# Altium PCB 0416X.PcbDoc (part 2 of 3)
Units mm, origin at the board's own origin, x right, y up, seen from the top; angles counter-clockwise.
Board outline 152.4 x 49.85 mm, 4 copper layers (Top Layer, Signal Layer 2, Signal Layer 1, Bottom Layer), stack 0.778 mm thick; 255 components, 302 nets, 1179 pads, 738 vias.
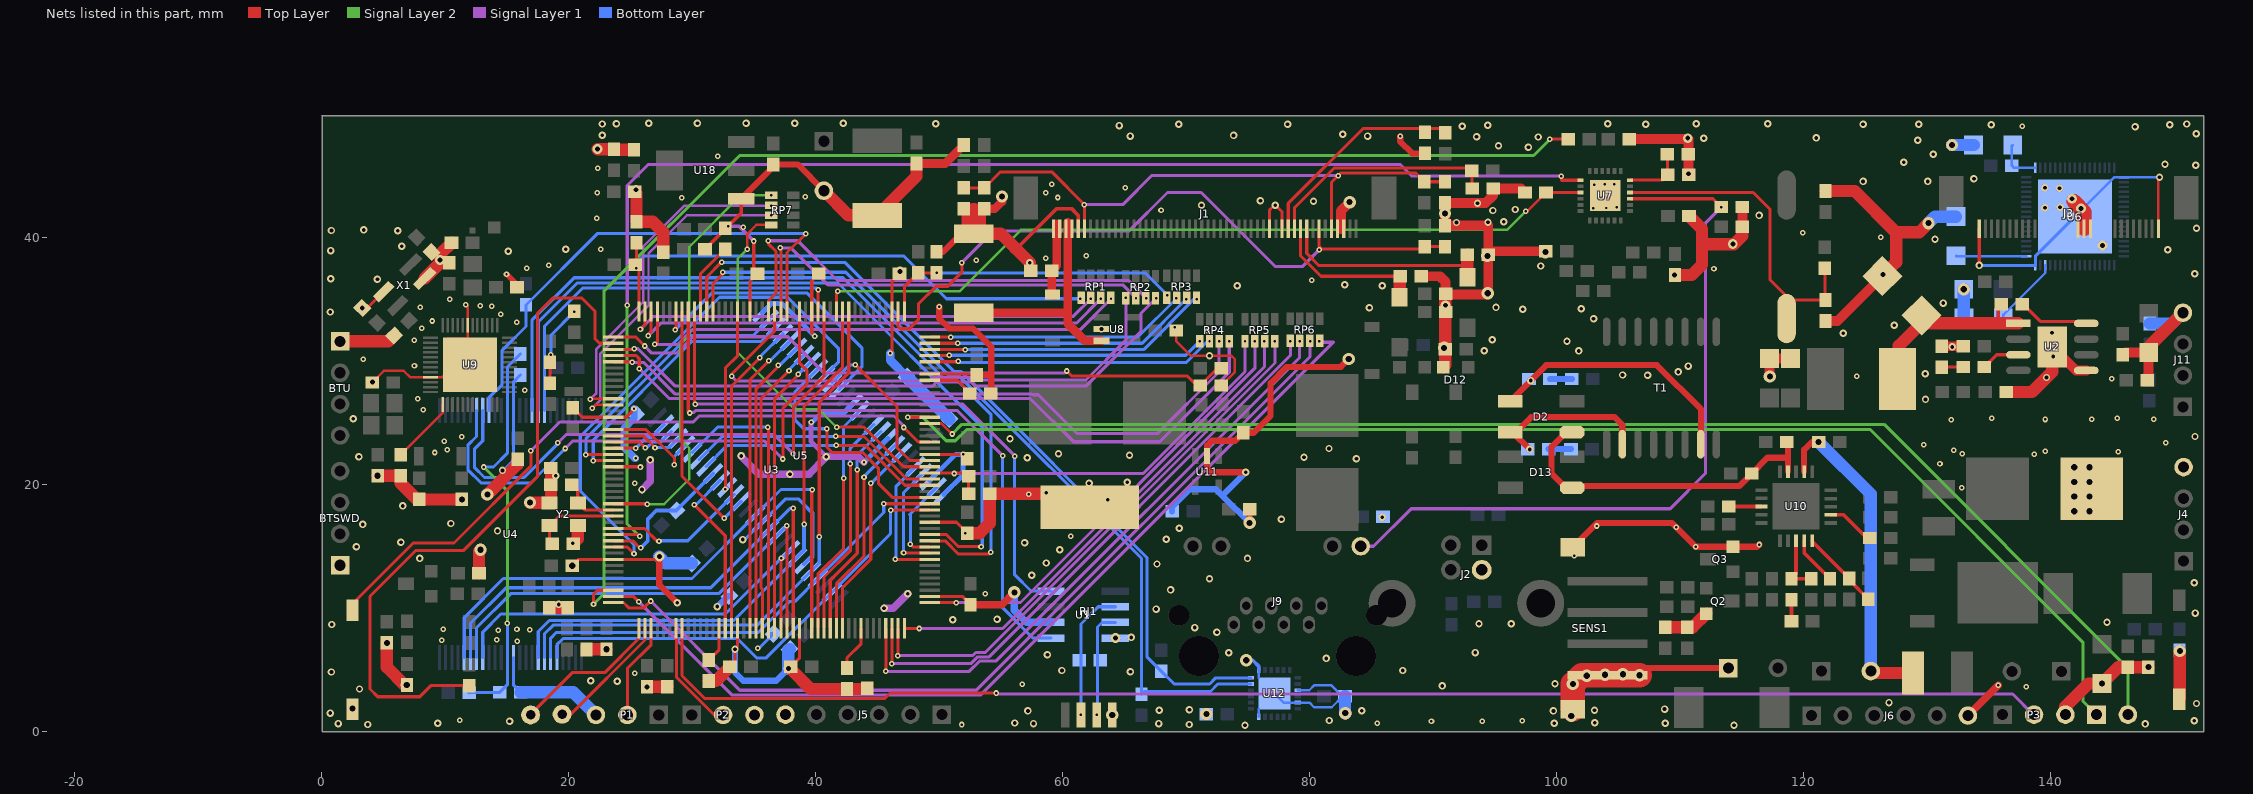
[diagram p4: the nets of this part, all layers, seen from the top]

## Via types
v1: diameter 0.45, hole 0.2, Top Layer to Bottom Layer, 364 vias
v2: diameter 0.6, hole 0.3, Top Layer to Bottom Layer, 236 vias
v3: diameter 1, hole 0.5, Top Layer to Bottom Layer, 61 vias
v4: diameter 0.8, hole 0.4, Top Layer to Bottom Layer, 41 vias
v5: diameter 0.5, hole 0.3, Top Layer to Bottom Layer, 36 vias

## Nets (pads, with @x,y where several pads share a name; then routed paths per layer and width w, separated by ;. In a path a pad name is that pad's centre, name@x,y a point inside that pad or via, vN(x,y) a via of type N, cw(c..) or ccw(c..) an arc to the next point about the centre after c; other vN are vias at no path point) (continued)
+16V: C89.2 D14.1 J1.41 | length 12.6
  Top Layer w0.25: J1.41@79.25,40.725 79.25,38.55 80.9,36.9 C89.2@87.325,36.9
  Top Layer w1: D14.1@87.275,35.207 87.275,36.85 C89.2@87.325,36.9
-7V: C84.1 D10.2 J1.42 | length 17.2
  Top Layer w0.25: J1.42@79.75,40.725 79.75,38.75 80.725,37.775 92.75,37.775
  Top Layer w1: D10.2@92.75,36.807 92.75,37.775 C84.1@92.75,38.625
AD1: P1.2 U3.47 | length 7.8
  Top Layer w0.254: P1.2@24.735,1.375 24.735,5.133 26.666,7.064 U3.47@26.666,8.409
AD2: P2.2 U3.51 | length 9
  Top Layer w0.254: U3.51@28.666,8.409 28.666,7.584 28.704,7.546 28.704,4.446 31.775,1.375 P2.2@32.49,1.375
AD3: P3.2 U3.52 | length 115
  Top Layer w0.254: U3.52@29.165,8.409 29.165,4.56 31.029,2.696 45.546,2.696 46,3.15 v1(54.6,3.15)
  Signal Layer 1 w0.254: v1(54.6,3.15) 54.675,3.075 136.91,3.075 P3.2@138.585,1.4
BL_GND: J1.3 J1.4 R71.2 U8.3 | length 19
  Top Layer w0.7: R71.2@52.775,33.95 60.298,33.95 ; 60.4,41.25 60.398,41.248 60.398,33.052 61.775,31.675 U8.3@63.125,31.675
BL_VCC: C74.2 D9.2 J1.1 J1.2 | length 6
  Top Layer w0.7: D9.2@59.25,35.33 D9.2@59.175,35.405 59.1,35.48 C74.2@59.1,37.35 59.5,37.75 59.5,41.1 59.475,41.125
BOOT0: R52.2 U3.166 | length 6
  Top Layer w0.254: U3.166@30.666,34.04 30.666,37.116 R52.2@32.7,39.15
BOOT1: R53.2 U3.58 | length 2.9
  Top Layer w0.254: R53.2@31.325,5.825 32.165,6.665 U3.58@32.165,8.409
CAN1_H: R73.2 RJ1.3 U1.7 | length 8.8
  Bottom Layer w0.25: v1(62.735,1.375) 62.8,1.44 62.8,8.5 63.165,8.865 U1.7@64.25,8.865
CAN1_L: R73.1 RJ1.2 U1.6 | length 10.7
  Bottom Layer w0.25: v1(61.465,1.375) 61.465,8.74 62.86,10.135 U1.6@64.25,10.135
CAN1_RX: U1.4 U3.167 | length 48.4
  Top Layer w0.25: U3.167@30.165,34.04 30.165,26.485 30.231,26.55 v1(30.25,26.55)
  Signal Layer 1 w0.25: v1(30.25,26.55) 51.9,26.55 56.1,22.35 v1(56.1,22.325)
  Bottom Layer w0.25: v1(56.1,22.325) 56.1,12.73 57.425,11.405 U1.4@59.05,11.405
CAN1_TX: U1.1 U3.168 | length 52.3
  Top Layer w0.25: v1@29.666,25.925 U3.168@29.666,34.04
  Signal Layer 1 w0.25: v1(29.8,25.825) 29.8,25.85 29.825,25.875 30.111,25.875 30.113,25.873 30.265,26.025 51.45,26.025 v1(55.125,22.35)
  Bottom Layer w0.25: v1(55.125,22.35) 55.125,10.05 57.58,7.595 U1.1@59.05,7.595
DEC1: C78.1 U9.1 | length 5.5
  Top Layer w0.2: C78.1@6.4,22.45 9.8,25.85 U9.1@9.8,26.525
ETH_MDC: U3.33 U7.13 | length 109.6
  Top Layer w0.254: U3.33@23.6,15.975 25.6,15.975 v1(25.725,15.85) ; 100.375,44.675 v1(100.375,45.004) ; 100.375,44.675 U7.13@101.925,44.675
  Signal Layer 1 w0.254: v1(24.725,34.55) 24.725,44.25 26.425,45.95 87.329,45.95 88.275,45.004 v1(100.375,45.004)
  Signal Layer 2 w0.254: v1(24.725,34.55) 24.696,34.521 24.696,16.879 v1(25.725,15.85)
ETH_MDIO: R54.2 U3.42 | length 111.5
  Top Layer w0.254: v1(21.996,10.327) 21.996,11.146 22.325,11.475 U3.42@23.6,11.475 ; v1@99.325,48 R54.2@100.925,48
  Signal Layer 2 w0.254: v1(21.996,10.327) 22.838,11.169 22.838,35.688 33.825,46.675 98.125,46.675 v1(99.425,47.975)
  Bottom Layer w0.254: v1@21.994,10.325 v1(21.996,10.327)
ETH_RESET: R66.1 U3.144 U7.15 | length 65.1
  Top Layer w0.25: U3.144@41.665,34.04 41.665,35.565 v1(41.775,35.675) ; v1(97.5,42.175) 97.625,42.175 R66.1@99.125,43.675 U7.15@101.925,43.675
  Signal Layer 2 w0.2: v1(41.775,35.675) 51.625,35.675 56.6,40.65 95.975,40.65 v1(97.5,42.175)
FSMC_A0: U3.16 U5.23 | length 8.3
  Top Layer w0.25: U3.16@23.6,24.475 26.25,24.475 28.55,22.175 v1(28.55,21.65)
  Bottom Layer w0.25: v1(28.55,21.65) 28.55,22.315 U5.23@29.43,23.195
FSMC_A1: U3.17 U5.24 | length 6
  Top Layer w0.25: U3.17@23.6,23.975 26.025,23.975 v1(26.975,23.025)
  Bottom Layer w0.25: v1(26.975,23.025) 28.128,23.025 U5.24@28.864,23.761 U5.24@28.864,23.764
FSMC_A2: U3.18 U5.25 | length 5.4
  Top Layer w0.25: U3.18@23.6,23.475 25.725,23.475 v1(26.197,23.003)
  Bottom Layer w0.25: v1(26.197,23.003) v1@26.314,23.003 ; v1@26.311,23 26.788,23.477 27.449,23.477 U5.25@28.299,24.326
FSMC_A3: U3.19 U5.26 | length 4.9
  Top Layer w0.25: U3.19@23.6,22.975 v1(25.425,22.975)
  Bottom Layer w0.25: v1(25.425,22.975) 26.278,23.828 26.669,23.828 U5.26@27.733,24.892
FSMC_A4: U3.20 U5.29 | length 22.3
  Top Layer w0.254: v1(21.375,22.45) 21.4,22.475 U3.20@23.6,22.475
  Bottom Layer w0.254: v1@21.379,22.454 21.379,23.729 29.75,32.1 34.941,32.1 U5.29@36.218,33.377
FSMC_A5: U3.21 U5.30 | length 22
  Top Layer w0.254: v1@21.875,22 21.9,21.975 U3.21@23.6,21.975
  Bottom Layer w0.254: v1(21.975,21.975) 21.975,23.625 29.975,31.625 35.597,31.625 U5.30@36.784,32.812
FSMC_A6: U3.60 U5.31 | length 25.5
  Top Layer w0.254: U3.60@33.165,8.409 33.165,27.99 v1(35.475,30.3)
  Bottom Layer w0.254: v1@35.475,30.372 U5.31@37.349,32.246
FSMC_A7: U3.63 U5.32 | length 24.7
  Top Layer w0.25: U3.63@34.666,8.409 34.666,28.516 v1(36.2,30.05)
  Bottom Layer w0.254: v1(36.2,30.05) 36.285,30.05 U5.32@37.915,31.68
FSMC_A8: U3.64 U5.33 | length 24.2
  Top Layer w0.25: U3.64@35.165,8.409 35.165,27.79 v1@37,29.625
  Bottom Layer w0.254: v1(36.95,29.675) 36.95,29.584 U5.33@38.481,31.115
FSMC_A9: U3.65 U5.34 | length 23.6
  Top Layer w0.25: U3.65@35.666,8.409 35.666,11.559 35.573,11.652 35.573,26.998 v1(37.825,29.25)
  Bottom Layer w0.254: v1(37.825,29.25) 37.825,29.327 U5.34@39.047,30.549
FSMC_A10: U3.66 U5.22 | length 23.4
  Top Layer w0.25: v1(36.1,24.675) 36.106,24.675 36.165,24.735 U3.66@36.165,8.409
  Bottom Layer w0.25: U5.22@29.996,22.629 32.041,24.675 v1(36.1,24.675)
FSMC_A11: U3.67 U5.35 | length 22.8
  Top Layer w0.254: U3.67@36.666,8.409 36.666,26.991 v1@38.6,28.925
  Bottom Layer w0.254: v1(38.575,28.95) 38.579,28.95 U5.35@39.612,29.983
FSMC_A12: U3.106 U5.36 | length 20
  Top Layer w0.25: v1(40.9,24.55) 40.9,23.05 41.325,22.625 43.8,22.625 45.064,21.361 45.064,20.139 46.228,18.975 U3.106@49.231,18.975
  Bottom Layer w0.25: U5.36@40.178,29.418 38.325,27.565 38.325,25.25 39.025,24.55 v1(40.9,24.55)
FSMC_A16_CLE: U3.99 U4.16 | length 67.1
  Top Layer w0.25: U3.99@49.231,15.475 50.475,15.475 51.55,14.4 54.025,14.4 v1(54.175,14.55)
  Bottom Layer w0.25: U4.16@17.025,26.025 17.025,33.368 20.431,36.773 32.85,36.773 32.853,36.777 42.198,36.777 50.478,28.497 51.403,28.497 54.175,25.725 v1(54.175,14.55)
FSMC_A17_ALE: U3.100 U4.17 | length 63.5
  Top Layer w0.254: U3.100@49.231,15.975 50.575,15.975 51.55,15 v1(53.375,15)
  Bottom Layer w0.25: U4.17@17.525,26.025 17.525,33.2 20.675,36.35 41.8,36.35 53.475,24.675 53.475,15.1 v1(53.375,15)
FSMC_BA0: U3.108 U5.20 | length 20.1
  Top Layer w0.25: v1(41.644,23.2) 44,23.2 47.225,19.975 U3.108@49.231,19.975
  Bottom Layer w0.25: U5.20@31.127,21.498 32.829,23.2 v1(41.644,23.2)
FSMC_BA1: U3.109 U5.21 | length 20.9
  Top Layer w0.25: v1(41.6,23.925) 43.9,23.925 47.35,20.475 U3.109@49.231,20.475
  Bottom Layer w0.25: U5.21@30.561,22.064 32.423,23.925 v1(41.6,23.925)
FSMC_D0: U3.104 U4.29 U5.2 | length 38.1
  Top Layer w0.254: v1(46.05,17.95) 46.075,17.975 U3.104@49.231,17.975
  Bottom Layer w0.25: U4.29@19.025,6.025 19.025,7.05 19.525,7.55 33.65,7.55 35.2,6 35.994,6 U5.2@41.309,11.316
  Bottom Layer w0.254: U5.2@41.309,11.316 46.05,16.056 v1(46.05,17.95)
FSMC_D1: U3.105 U4.30 U5.4 | length 37.2
  Top Layer w0.254: v1(45.5,18.475) U3.105@49.231,18.475
  Bottom Layer w0.254: U4.30@18.525,6.025 18.525,7.6 18.975,8.05 35.35,8.05 37.85,10.55 38.281,10.55 U5.4@40.178,12.447 45.5,17.769 v1(45.5,18.475)
FSMC_D2: U3.142 U4.31 U5.5 | length 47.9
  Top Layer w0.254: v1(40.275,15.8) 40.275,26.7 42.665,29.09 U3.142@42.665,34.04
  Bottom Layer w0.254: U4.31@18.025,6.025 18.025,7.95 18.725,8.65 35.25,8.65 U5.5@39.612,13.013 40.275,13.675 v1(40.275,15.8)
FSMC_D3: U3.143 U4.32 U5.7 | length 47
  Top Layer w0.254: v1(39.046,16.829) 39.046,26.396 42.166,29.516 U3.143@42.166,34.04
  Bottom Layer w0.25: U4.32@17.525,6.025 17.525,8.125 18.425,9.025 33.362,9.025 U5.7@38.481,14.144
  Bottom Layer w0.3: U5.7@38.481,14.144 39.046,14.71 v1(39.046,16.829)
FSMC_D4: U3.68 U4.41 U5.8 | length 35.4
  Top Layer w0.254: U3.68@37.165,8.409 37.165,14.046 v1(37.197,14.077) v1@37.248,14.077
  Bottom Layer w0.254: U4.41@13.025,6.025 13.025,8.075 14.5,9.55 32.669,9.55 v1(37.197,14.077) 37.199,14.075 37.28,14.075 U5.8@37.915,14.71
FSMC_D5: U3.69 U4.42 U5.10 | length 39.3
  Top Layer w0.254: v1(37.65,16.707) 37.666,16.692 U3.69@37.666,8.409
  Bottom Layer w0.25: U4.42@12.525,6.025 12.525,8.425 15.325,11.225 32.168,11.225 U5.10@36.784,15.841
  Bottom Layer w0.254: U5.10@36.784,15.841 v1(37.65,16.707)
FSMC_D6: U3.70 U4.43 U5.11 | length 42.5
  Top Layer w0.254: U3.70@38.175,8.419 v1(38.175,18.125)
  Bottom Layer w0.254: U4.43@12.025,6.025 12.025,8.775 14.925,11.675 31.486,11.675 U5.11@36.218,16.407 37.936,18.125 v1(38.175,18.125)
FSMC_D7: U3.73 U4.44 U5.13 | length 46.9
  Top Layer w0.254: U3.73@39.665,8.409 39.665,19.565 v1@39.69,19.59
  Bottom Layer w0.254: U4.44@11.525,6.025 11.525,9.25 14.7,12.425 29.974,12.425 U5.13@35.087,17.538 37.174,19.625 v1(39.7,19.625)
FSMC_D8: U3.74 U5.42 | length 19.1
  Top Layer w0.254: U3.74@40.166,8.409 40.166,12.766 42.25,14.85 v1(42.25,20.525)
  Bottom Layer w0.254: v1(42.25,20.525) 42.25,24.601 42.2,24.651 U5.42@43.572,26.024
FSMC_D9: U3.75 U5.44 | length 18.2
  Top Layer w0.254: U3.75@40.665,8.409 40.665,12.54 42.8,14.675 v1(42.8,21.7)
  Bottom Layer w0.254: v1(42.8,21.7) 42.775,21.725 42.775,22.964 U5.44@44.703,24.892
FSMC_D10: U3.76 U5.45 | length 17.6
  Top Layer w0.254: U3.76@41.166,8.409 41.166,12.291 43.35,14.475 v1(43.35,21.225)
  Bottom Layer w0.254: v1(43.35,21.225) 43.325,21.25 43.325,22.382 U5.45@45.269,24.326
FSMC_D11: U3.77 U5.47 | length 16.9
  Top Layer w0.254: U3.77@41.665,8.409 41.665,11.99 43.9,14.225 v1(43.9,20.625)
  Bottom Layer w0.254: v1(43.9,20.625) 43.875,20.625 43.825,20.675 43.88,20.675 U5.47@46.4,23.195
FSMC_D12: U3.78 U5.48 | length 16.2
  Top Layer w0.254: U3.78@42.166,8.409 42.166,11.691 44.45,13.975 v1(44.45,20.15)
  Bottom Layer w0.254: v1(44.45,20.15) 44.487,20.15 U5.48@46.966,22.629
FSMC_D13: U3.96 U5.50 | length 11
  Top Layer w0.254: v1(46.425,13.975) U3.96@49.231,13.975
  Bottom Layer w0.254: v1(46.425,13.975) 46.504,14.054 46.504,19.904 U5.50@48.098,21.498
FSMC_D14: U3.97 U5.51 | length 9.2
  Top Layer w0.254: v1(47.1,14.525) 47.15,14.475 U3.97@49.231,14.475
  Bottom Layer w0.254: v1(47.1,14.525) 47.1,19.369 U5.51@48.663,20.932
FSMC_D15: U3.98 U5.53 | length 7.2
  Top Layer w0.254: v1(47.65,15.2) 47.875,14.975 U3.98@49.231,14.975
  Bottom Layer w0.254: v1(47.65,15.2) 47.65,17.556 47.6,17.606 U5.53@49.795,19.801
FSMC_NBL0: U3.169 U5.15 | length 20.1
  Top Layer w0.254: U3.169@29.165,34.04 29.165,20.71 v1(32.575,17.3)
  Bottom Layer w0.254: v1(32.575,17.3) 32.586,17.3 U5.15@33.955,18.67
FSMC_NBL1: U3.170 U5.39 | length 23.8
  Top Layer w0.254: v1(28.625,32.575) 28.666,32.616 U3.170@28.666,34.04
  Bottom Layer w0.254: v1(28.625,32.575) 31.6,35.55 39.275,35.55 43.725,31.1 43.725,29.571 U5.39@41.875,27.721
FSMC_NCE3: R37.2 U3.152 U4.9 | length 41.8
  Top Layer w0.254: U3.152@37.665,34.04 37.665,38.816 v1(39.2,40.35)
  Bottom Layer w0.254: U4.9@13.525,26.025 13.525,27.05 14.6,28.125 14.6,30.9 16.525,32.825 R37.2@16.525,34.575 22.3,40.35 v1(39.2,40.35)
FSMC_NOE: U3.146 U4.8 | length 45.7
  Top Layer w0.25: v1(38.175,22.525) 38.175,26.3 40.665,28.79 U3.146@40.665,34.04
  Signal Layer 1 w0.25: v1(19.1,23.4) 19.773,24.073 36.627,24.073 v1(38.175,22.525)
  Bottom Layer w0.25: U4.8@13.025,26.025 13.025,23.575 12.35,22.9 12.35,21.425 13.175,20.6 16.375,20.6 19.1,23.325 v1(19.1,23.4)
FSMC_NWAIT: U3.150 U4.7 | length 46
  Top Layer w0.25: v1(37.325,22.1) 37.325,26.2 39.275,28.15 39.275,29.275 38.665,29.885 U3.150@38.665,34.04
  Signal Layer 1 w0.25: v1(19.7,22.95) 20.3,23.55 35.875,23.55 v1(37.325,22.1)
  Bottom Layer w0.25: U4.7@12.525,26.025 12.525,23.925 11.825,23.225 11.825,21.225 12.9,20.15 16.9,20.15 v1(19.7,22.95)
FSMC_NWE: U3.147 U4.18 | length 32.1
  Top Layer w0.254: U3.147@40.166,34.04 40.166,35.766 v1(40.2,35.8)
  Bottom Layer w0.254: U4.18@18.025,26.025 18.025,32.85 21.125,35.95 40.05,35.95 v1(40.2,35.8)
FSMC_SDCKE0: U3.35 U5.37 | length 43.2
  Top Layer w0.254: U3.35@23.6,14.975 24.725,14.975 v1(25.275,14.425)
  Bottom Layer w0.254: v1(25.275,14.425) 25.275,15.15 20.921,19.504 20.921,23.921 32.194,35.194 37.706,35.194 41.825,31.075 41.825,29.933 U5.37@40.744,28.852
FSMC_SDCLK: U3.112 U5.38 | length 13.7
  Top Layer w0.254: v1(43.2,29.725) 46.575,26.35 46.575,23.025 47.625,21.975 U3.112@49.231,21.975
  Bottom Layer w0.254: U5.38@41.309,28.286 42.748,29.725 v1(43.2,29.725)
FSMC_SDNCAS: U3.160 U5.17 | length 15
  Top Layer w0.254: v1(32.673,19.65) 32.673,29.473 33.666,30.466 U3.160@33.666,34.04
  Bottom Layer w0.254: v1(32.673,19.65) U5.17@32.824,19.801
FSMC_SDNE0: R49.2 U3.34 U5.19 | length 11.9
  Top Layer w0.25: U3.34@23.6,15.475 25.175,15.475 25.75,14.9 v1(25.825,14.9)
  Bottom Layer w0.3: v1(25.825,14.9) 26.4,15.475 26.4,17.25 27.077,17.927 R49.2@28.702,17.927 ; R49.2@28.695,17.934 U5.19@31.693,20.932
FSMC_SDNRAS: U3.59 U5.18 | length 13.8
  Top Layer w0.25: v1(30.15,18.4) 32.666,15.884 U3.59@32.666,8.409
  Bottom Layer w0.25: v1@30.292,18.4 U5.18@32.258,20.367
FSMC_SDNWE: U3.32 U5.16 | length 11.8
  Top Layer w0.254: U3.32@23.6,16.475 26.125,16.475 27.15,15.45 v1(27.3,15.45)
  Bottom Layer w0.254: v1(27.3,15.45) 27.325,15.475 29.629,15.475 U5.16@33.39,19.235
GND: BTSWD.1 BTU.1 C2.1 C7.1 C10.1 C14.1 C15.1 C17.1 C18.1 C19.2 C20.1 C21.1 C22.1 C23.1 C24.1 C25.1 C26.1 C27.1 C28.1 C29.2 C30.2 C31.2 C32.1 C33.1 C34.1 C35.1 C36.1 C37.1 C38.1 C39.1 C40.1 C41.2 C42.1 C43.1 C44.1 C45.1 C46.1 C47.1 C49.1 C50.1 C52.1 C53.1 C54.1 C55.1 C56.1 C57.1 C58.1 C59.1 C60.1 C61.1 C62.1 C63.1 C64.1 C65.1 C66.1 C67.1 C68.1 C69.1 C70.2 C71.2 C72.1 C74.1 C75.1 C76.2 C77.2 C78.2 C79.2 C80.2 C81.2 C82.2 C83.2 C84.2 C87.1 C89.1 C90.1 C91.1 C92.1 C93.1 C94.1 C96.2 C97.1 C98.2 C99.1 C100.1 C101.2 C102.1 C110.1 C116.2 C117.1 C200.1 D4.1 D6.2 D12.2 J1.5 J1.36 J1.38 J1.47 J1.48 J2.4 J3.1 J3.17 J3.18 J3.19 J3.30 J4.4 J5.6 J6.6 J11.4 L2.2 P1.3 P2.3 P3.3 Q3.2 R14.1 R16.2 R19.2 R23.2 R25.2 R28.2 R29.2 R30.1 R33.2 R35.1 R42.2 R43.1 R44.2 R45.2 R50.1 R52.1 R53.1 R59.1 R60.1 R63.2 R64.2 R66.2 R69.2 R71.1 R75.2 R200.2 RJ1.4 RJ1.5 S1.2 S2.1 SENS1.1 SENS1.5 U1.2 U1.8 U2.5 U2.9 U3.14 U3.22 U3.37 U3.61 U3.71 U3.90 U3.102 U3.113 U3.126 U3.135 U3.148 U3.158 U4.13 U4.36 U5.6 U5.12 U5.28 U5.41 U5.46 U5.52 U5.54 U6.1 U6.34 U6.69 U7.25 U8.2 U9.31 U9.45 U9.49 U11.2 U12.0 U12.1 U12.9 U12.11 U12.18 U18.1 X1.2 X1.4 Y2.2 Y2.4 | length 575.6
  Top Layer w0.2: C75.1@4.075,28.3 5.025,29.25 6.625,29.25 7.15,28.725 U9.45@8.8,28.725 9.75,28.725 9.918,28.893 9.918,29.07 10.061,29.07 9.918,29.213 U9.49@9.918,29.731 ; U9.49@10.061,29.731 U9.49@9.918,29.731 ; v1(11.65,34.6) 11.8,34.45 U9.31@11.8,32.925 11.8,31.833 10.183,31.833 9.918,31.569 U9.49@9.918,29.731 ; C72.1@69.175,32.5 69.175,31.65 70.375,30.45 73.65,30.45 73.925,30.175 73.925,29.15 R69.2@72.825,28.05 ; J3.30@148.703,40.75 148.703,44.828 v2(148.8,44.925)
  Top Layer w0.25: U3.22@23.6,21.475 25.775,21.475 v1(25.8,21.45) ; J1.36@76.75,40.725 76.75,42.275 76.975,42.5 77.375,42.5 77.75,42.125 J1.38@77.75,40.725 ; v2(134.2,37.775) 134.203,37.778 J3.1@134.203,40.75
  Top Layer w0.254: v4(3.273,34.327) 3.671,34.327 X1.2@4.999,35.655 ; v2(14.625,21.175) v2@14.625,21.309 ; C21.1@18.425,10.05 C21.1@18.425,10.175 ; C30.2@18.475,28.25 C29.2@18.475,29.925 18.475,30.6 v1(18.55,30.525) ; C22.1@19.9,10.05 C22.1@20.1,10.05 ; v3(20.275,13.45) 20.8,13.975 U3.37@23.6,13.975 23.6,13.971 27.097,13.971 v4(27.326,14.201) ; C42.1@20.325,26.25 21.1,25.475 U3.14@23.6,25.475 24.65,25.475 25.3,26.125 25.3,26.153 v1(25.276,26.176) ; C58.1@33.05,5.275 33.45,5.675 v2(33.45,6.7) 33.666,6.916 U3.61@33.666,8.409 ; U3.158@34.666,34.04 34.666,36.491 C60.1@35.275,37.1 34.975,37.4 v1@34.975,39.725 ; C44.1@37.975,5.275 38.665,5.966 U3.71@38.665,8.409 ; v1(39.925,32.05) 39.665,32.31 U3.148@39.665,34.04 39.665,36.54 C59.1@40.25,37.125 ; v1(46.025,30.65) 46.166,30.791 U3.135@46.166,34.04 46.166,36.491 C61.1@46.775,37.1 ; U3.90@49.231,10.975 51.85,10.975 C56.1@52.525,10.3 ; U3.102@49.231,16.975 51.394,16.975 C53.1@52.269,16.1 ; U3.113@49.231,22.475 v1(51.919,22.475) C54.1@52.269,22.125 ; U3.126@49.231,28.975 52.95,28.975 C55.1@53.025,28.9 ; C54.1@52.147,22.003 C54.1@52.35,21.8
  Top Layer w0.3: R35.1@31.025,39.075 33.95,42 U18.1@33.95,43.175 ; 56.15,39.175 56.3,39.175 59.5,42.375 60.7,42.375 61.25,41.825 J1.5@61.25,40.725
  Top Layer w0.4: v1(14.95,37.075) 15.8,36.225 C90.1@15.8,36 ; v1(20.45,34.025) C19.2@20.45,34.05
  Top Layer w0.5: v4(27.326,14.201) 27.326,11.899 v2(28.775,10.45) ; U18.1@33.95,43.175 36.55,45.775 C97.1@36.55,45.95 38.525,45.95 C98.2@40.65,43.825 ; R25.2@49.775,38.875 50.3,38.875 51.775,40.35 R71.1@52.775,40.35 ; v1(50,34.425) 50,33.475 50.8,32.675 52.7,32.675 54.2,31.175 54.2,28.875 ; C55.1@53.025,28.9 54.175,28.9 54.2,28.875 ; C23.1@54.175,27.4 54.2,27.425 54.2,28.875 ; v2(74.8,21.025) 72.05,21.025 71.675,21.4 U11.2@71.675,22.35 71.675,23.175 72.075,23.575 73.95,23.575 R75.2@74.6,24.225 75.45,24.225 76.825,25.6 76.825,28.25 78.125,29.55 82.5,29.55 v3(83.15,30.2) ; v3(75.125,16.925) C94.1@75.125,18.025 ; v1(87.325,48.225) 87.325,47.8 88.275,46.85 R16.2@89.325,46.85 ; SENS1.5@101.3,14.953 103.272,16.925 109.3,16.925 v1(111.234,14.991) Q3.2@114.266,14.991 116.216,14.991 v1(116.4,15.175) ; 104.685,5.175 C15.1@113.9,5.175
  Top Layer w0.6: C56.1@52.525,10.3 55.075,10.3 v3(56.075,11.3) ; J6.6@133.285,1.325 v1@135.735,3.775
  Top Layer w0.7: C102.1@48.15,46.025 50.475,46.025 C2.1@51.975,47.525 ; 52.75,42.35 C18.1@53.65,42.35 54.475,42.35 55.075,42.95 55.075,43.349 v3(55.078,43.352)
  Top Layer w0.8: 82.525,40.725 82.525,42.2 v3@83.25,42.925 ; C89.1@89.025,36.9 90.525,36.9 90.975,36.45 90.975,35.475 91.025,35.425 94.45,35.425 C84.2@94.45,38.625 ; R66.2@97.425,43.675 97.1,44 R19.2@94.85,44 94.85,43.45 94.225,42.825 90.975,42.825 R28.2@90.95,42.85 C10.1@90.95,41 94.45,41 C84.2@94.45,38.625 ; C69.1@99.1,38.925 94.75,38.925 C84.2@94.45,38.625 ; C67.1@105.875,48 110.65,48 C65.1@110.65,46.775 C66.1@110.65,45.15 ; R60.1@115.025,40.9 R59.1@115.025,42.5 ; v3(117.25,28.775) 117.225,28.775 C50.1@117.225,30.226 C49.1@118.925,30.226 ; C70.2@121.75,33.275 122.718,33.275 D4.1@126.359,36.916 ; R45.2@131.175,31.225 R33.2@133.05,31.225 ; U2.9@140.125,31.175 142.03,29.27 U2.5@142.875,29.27 ; C52.1@145.825,30.525 146.024,30.724 C200.1@147.925,30.724 147.925,28.6 R44.2@147.8,28.475
  Top Layer w1: BTU.1@1.475,31.625 5.375,31.625 C82.2@5.848,32.098 ; C79.2@4.525,20.75 C78.2@6.4,20.75 6.4,20.124 7.699,18.825 C77.2@7.9,18.825 C81.2@11.325,18.825 ; C28.1@5.25,7.225 5.25,5.249 6.699,3.8 D6.2@6.9,3.8 ; X1.4@8.322,36.716 9.581,37.975 9.581,38.681 C91.1@10.5,39.6 ; R43.1@12.725,12.85 12.725,14.625 v3(12.85,14.75) ; v3(13.4,19.225) 15.85,21.675 C96.2@15.85,22.075 ; v3(16.85,18.575) 16.875,18.55 Y2.4@18.425,18.55 18.55,18.675 C43.1@18.55,21.375 ; C21.1@18.425,10.05 C22.1@19.9,10.05 ; C32.1@20.35,15.25 20.725,15.625 Y2.2@20.725,16.7 ; C27.1@21.425,6.675 21.45,6.7 v3(23.05,6.7) ; v4@22.35,47.175 C100.1@23.65,47.175 ; C100.1@23.675,47.15 C99.1@25.275,47.15 ; C41.2@25.475,43.625 R29.2@25.475,41.3 26.8,41.3 27.65,40.45 C47.1@27.65,38.85 ; v4(26.325,3.65) C46.1@27.975,3.65 ; R53.1@31.325,4.125 31.9,4.125 C58.1@33.05,5.275 ; C44.1@37.975,5.275 37.975,5.074 39.574,3.475 C20.1@42.525,3.475 44.1,3.475 C45.1@44.15,3.525 ; C98.2@40.65,43.825 42.65,41.825 C101.2@44.975,41.825 48.15,45 C102.1@48.15,46.025 ; C53.1@52.269,16.1 53.275,16.1 54.069,16.894 R23.2@54.069,19.275 61.096,19.275 RJ1.5@62.172,18.199 ; R71.1@52.775,40.35 54.975,40.35 56.15,39.175 v2(57.325,38) ; D12.2@90.809,29.541 90.975,29.707 C92.1@90.975,35.475 ; R200.2@109.575,37 110.925,37 111.75,37.825 111.75,39.825 ; C68.1@110.7,41.775 111.75,40.725 111.75,39.825 ; R60.1@115.025,40.9 115.025,40.175 114.325,39.475 112.1,39.475 111.75,39.825 ; C71.2@121.75,43.8 124.125,43.8 127.475,40.45 ; D4.1@126.359,36.916 127.475,38.032 127.475,40.45 ; v3(130.1,41.2) 129.35,40.45 127.475,40.45 ; R42.2@136.375,27.525 138.475,27.525 140.125,29.175 U2.9@140.125,31.175 ; P3.3@141.18,1.4 141.18,2.055 143.049,3.924 v3(144.15,3.924) 145.451,5.225 R14.1@146.225,5.225 146.25,5.25 v3(147.9,5.25) ; C200.1@147.925,30.724 147.925,31.17 J11.4@150.7,33.945 ; S1.2@150.45,2.7 v3(150.45,6.55)
  Top Layer w1.2: v4@141.875,42.95 142.703,42.122 J3.18@142.703,40.75
  Top Layer w2: R71.1@52.775,40.844 52.775,41.831 ; SENS1.5@101.3,1.847 v3(101.3,3.875) 102.015,4.59 SENS1.1@104.1,4.59 v3(106.7,4.59)
  Signal Layer 1 w0.3: v1(32.925,40.95) 33.775,40.95 v1(34.975,39.75)
  Signal Layer 1 w0.4: v1(39.625,25.075) 39.625,23.5 v2(40.85,22.275)
  Signal Layer 1 w0.6: v2(25.925,19.625) 26.6,20.3 v2(26.6,22.025) ; v2(33.95,22.35) 33.95,22.3 35.375,20.875 v2(37.9,20.875) 39.45,20.875 v2(40.85,22.275) 40.902,22.327 43.398,22.327 v1(43.9,21.825) ; v2(45.525,10.025) 46.275,10.025 v2(47.45,11.2)
  Signal Layer 2 w0.7: v3(55.078,43.352) v3@55.101,43.375
  Bottom Layer w0.2: U12.18@75.875,1.225 U12.0@75.875,1.875 ; U12.0@75.875,4.375 U12.1@75.875,5.025 ; U12.0@77.125,3.125 77.875,2.375 U12.11@79.025,2.375 79.975,2.375 80.35,2 81.775,2 82.65,2.875 81.75,3.775 80.35,3.775 79.95,3.375 U12.9@79.025,3.375 ; U6.69@141.95,41.725 145.15,44.925 U6.1@145.9,44.925 v2(148.8,44.925)
  Bottom Layer w0.25: v2@33.975,15.575 34.255,15.575 U5.12@35.652,16.973 37.555,18.875 38.575,18.875 39.375,18.075 ; v1(35.3,6.775) 35.4,6.775 C35.1@36.575,7.95 C35.1@36.35,7.95 ; v2(134.2,37.775) U6.34@138.75,37.775 138.75,38.525 U6.69@141.95,41.725
  Bottom Layer w0.254: v2(14.625,21.175) v2@14.625,21.278 ; v2@14.85,21.325 15.525,22 U4.13@15.525,26.025 15.525,28.35 C25.1@16.075,28.9 ; U4.36@15.525,6.025 15.525,3.775 C24.1@16.1,3.2 ; v1(18.55,30.525) 18.55,32.125 v1(20.45,34.025)
  Bottom Layer w0.3: U5.6@39.047,13.578 39.725,14.257 39.725,17.725 39.375,18.075 ; v3(74.85,5.8) 75.375,5.8 75.875,5.3 U12.1@75.875,5.025
  Bottom Layer w0.4: U5.28@35.652,33.943 36.384,34.675 37.275,34.675 39.875,32.075 v1@39.925,32.075 ; v1@39.663,25.037 40.321,25.696 42.114,25.696 U5.41@43.006,26.589 ; v1(43.9,21.825) U5.46@45.835,23.761 ; U5.52@49.229,20.367 51.337,22.475 v1(51.919,22.475) 51.919,20.794 U5.54@50.36,19.235
  Bottom Layer w0.5: v2(32.025,10.15) 32.875,11 C36.1@33,11 ; v2(33.45,6.7) 33.45,4.825 34.125,4.15 36.8,4.15 v4(37.775,5.125) ; R64.2@68.85,17.875 68.85,18.225 70.275,19.65 72.4,19.65 72.95,19.1 ; v2(74.8,21.025) 72.95,19.175 72.95,19.1 ; v3(75.125,16.925) 72.95,19.1
  Bottom Layer w0.6: v1(25.276,26.176) 25.276,25.376 24.5,24.6 24.5,23.014 25.339,22.175 v1(25.4,22.175) ; v3(56.075,11.3) 56.075,9.845 57.055,8.865 U1.2@59.05,8.865
  Bottom Layer w0.7: v1(46.025,30.65) 46.025,30.1 C39.1@47.35,28.775
  Bottom Layer w1: C24.1@16.1,3.2 20.37,3.2 P1.3@22.195,1.375 ; v4(27.326,14.201) 27.326,14.174 27.85,13.65 C37.1@29.975,13.65 ; v4(37.775,5.125) 37.775,6.6 C34.1@37.875,6.7 ; C39.1@47.35,28.775 50.8,25.325 C40.1@50.825,25.325 ; C117.1@82.85,2.875 82.85,1.55 v3(82.875,1.525) ; v3(130.1,41.2) 130.626,41.726 C62.1@132.325,41.726 ; v3(132,47.525) C33.1@133.749,47.525 ; C63.1@132.949,33.55 v3(132.949,35.85) ; R50.1@148.025,33.075 149.83,33.075 J11.4@150.7,33.945
  other v1: 51.825,0.6 85.475,0.7 93.975,0.85 89.85,0.875 97.2,0.9 11.175,0.95 138.025,3.675 135.75,3.775 56.725,3.875 25.35,4.75 15.825,7.35 9.7,7.425 14.175,7.475 14.3,8.25 16.825,8.275 9.825,8.3 15.8,8.325 53.7,11.2 101.4,14.25 60.65,15.85 52.1,16.075 109.675,16.575 103.225,16.675 57.225,19.25 132.8,19.775 25.35,20.15 131.025,21.725 138.65,22.5 132.825,22.525 9.125,22.625 145.45,22.7 139.55,22.725 132.125,22.825 10.15,22.85 129.725,23.25 149.325,23.425 9.925,23.525 11.325,23.9 131.95,25.275 139.55,25.3 143.325,25.325 148.325,25.325 135.2,25.4 145.375,25.4 8.2,26.1 7.775,26.975 16.425,27.675 144.925,28.6 124.3,28.8 7.5,29.65 3.35,30.175 7.475,31.7 71.7,32.5 8.1,32.675 69.05,32.75 15.775,33.175 8.95,33.275 14.5,33.825 7.975,34.375 13.75,34.475 12.825,34.5 10.35,35.025 80.15,36.575 112.725,37.5 16.575,37.55 18.375,37.8 53,38.2 58.625,38.35 61.9,38.55 22.575,39.075 126.225,40.05 119.9,40.425 34.125,40.85 22.25,41.6 67.95,42.25 102.95,42.4 104,42.425 104.85,42.475 29.125,43.25 59.575,43.275 39.15,43.35 58.6,43.65 22.3,43.675 65.05,44.075 103.025,44.325 59.1,44.35 103.875,44.35 104.65,44.35 22.325,45.65 32.05,46.625 137.675,49.05
  other v2: 74.75,0.55 114.35,0.55 3.725,0.6 70.225,0.6 147.65,0.65 1.325,0.675 57.625,0.675 67.775,0.675 9.375,0.7 99.8,0.7 108.775,0.7 56.1,0.725 103.075,0.75 15.2,0.875 151.625,0.9 81.575,0.925 0.675,1.525 57.175,1.7 99.725,1.7 84.2,1.725 67.8,1.75 103.05,1.75 70.25,1.8 108.725,1.85 151.8,2.3 126.9,2.375 3.05,3.475 90.725,3.725 99.85,3.9 23.925,4.1 21.775,4.15 0.775,4.85 65.475,4.875 59.925,4.975 87.525,4.975 81.325,5.95 58.75,6.25 73.425,6.4 93.4,6.425 65.55,7.65 72.475,8.075 70.675,8.45 0.8,8.7 93.7,8.75 96.3,8.75 144.55,8.875 51.075,9.075 54.675,9.125 151.7,9.625 67.55,9.95 19.175,10.325 68.725,11.5 151.625,12.075 71.875,12.4 57.475,12.675 67.625,13.6 58.65,13.675 7.925,14.05 74.95,14.05 59.75,14.75 2.8,15 20.325,15.275 56.9,15.325 6.4,15.35 34.075,15.575 68.375,15.6 14.225,16.275 69.425,16.5 3.3,16.8 10.45,16.875 77.7,17.225 85.875,17.375 6.55,18.3 63.625,18.8 58.65,19.375 62.125,20.125 65.225,20.225 18.95,20.75 83.775,22.125 57.125,22.2 79.525,22.25 3,22.275 65.4,22.4 59.65,22.525 81.55,22.95 55.725,23.75 151.675,23.925 2.55,25.35 129.85,26.925 139.65,28.7 107.35,28.875 105.325,28.9 129.825,29 109.825,29.15 110.65,29.625 140.2,30.4 71.875,30.45 101.775,30.85 94.125,30.875 132.025,31.175 100.825,31.625 94.775,31.75 123.2,32.275 140.1,32.325 63.125,32.625 127.325,32.925 102.975,33.45 0.675,34 97.25,34.225 101.975,34.275 84.825,34.35 95.075,34.375 131.3,34.725 74.125,36.125 85.875,36.125 82.825,36.2 4.5,36.65 0.725,36.7 151.65,37.1 98.7,37.725 15.1,38.925 0.725,38.975 149.475,39.05 19.75,39.075 6.475,39.325 130.625,39.9 6.15,40.575 0.775,40.6 3.4,40.65 151.8,40.775 91.875,41.25 94.425,41.275 95.7,41.3 116.375,41.825 94.825,42.225 96.625,42.3 139.525,42.45 140.75,42.475 71.225,42.65 77.2,42.65 93.575,42.8 80.3,42.975 76,43 140.7,44.025 139.525,44.075 124.8,44.575 130.025,44.575 133.775,44.8 151.725,45.875 149.25,45.975 128.1,46.125 130.475,46.775 97.7,47.35 95.275,47.475 129.225,47.9 111.9,48.075 121,48.1 98.5,48.175 93.5,48.2 65.45,48.25 84.675,48.25 73.825,48.3 22.7,48.325 82.675,48.4 151.775,48.425 146.825,49 92.35,49.05 64.575,49.1 94.4,49.125 135.175,49.175 149.625,49.175 69.375,49.2 78.2,49.2 107.2,49.2 124.8,49.2 129.3,49.2 22.7,49.225 151,49.225 23.85,49.25 49.7,49.25 104.125,49.25 111.3,49.25 117.075,49.25 26.475,49.275 30.412,49.275 34.35,49.275 38.288,49.275 42.225,49.275
  other v3: 101.175,1.3 64.005,1.375 71.625,1.45 2.475,1.9 6.875,3.8 102.425,4.55 103.9,4.625 105.35,4.675 5.275,7.2 141.9,17.875 143.125,17.875 11.35,18.825 141.9,19.058 143.125,19.058 141.9,20.242 143.125,20.242 4.5,20.75 141.9,21.425 143.125,21.425 90.875,31.1 94.4,35.525 94.375,38.55 99.075,38.85 90.95,41.975 83.225,42.9
  other v4: 64.25,7.595 4.1,28.325 90.975,34.55 109.525,37 126.425,37.025 46.825,37.3 9.575,38.225 144.2,39.4 114.25,39.5 142.45,42.375 141.725,43.175 25.45,43.9 110.675,45.2 22.325,47.2 110.6,48.075
I2C1_SCL: R81.2 U3.164 U12.23 | length 67.2
  Top Layer w0.25: U3.164@31.666,34.04 31.666,36.291 32.5,37.125 32.475,37.15 v1(32.475,37.225)
  Bottom Layer w0.25: v1(32.475,37.225) 42.425,37.225 50.802,28.848 51.577,28.848 66.375,14.05 R81.2@66.375,3.05 66.6,3.275 71.95,3.275 72.55,3.875 U12.23@75.225,3.875
I2C1_SDA: R82.2 U3.165 U12.24 | length 66.4
  Top Layer w0.25: U3.165@31.165,34.04 31.165,36.84 32.35,38.025 v1(32.375,38.025)
  Bottom Layer w0.25: v1(32.375,38.025) 32.475,38.025 42.35,38.025 51.175,29.2 51.722,29.2 66.8,14.122 66.8,6.1 R82.2@67.975,4.925 69.012,3.887 71.888,3.887 72.375,4.375 U12.24@75.225,4.375
I2C2_SCL: pad.1@16.9,1.375 U3.45 | length 12.2
  Top Layer w0.254: pad.1@16.875,1.4 20.275,4.8 22.9,4.8 25.665,7.565 U3.45@25.665,8.409
I2C2_SDA: pad.0 U3.46 | length 10.2
  Top Layer w0.254: pad.0@19.415,1.4 20.119,1.4 26.165,7.446 U3.46@26.165,8.409
I2C3_SCL: J8.1 U3.119 | length 111.5
  Top Layer w0.254: v1(47.45,25.475) U3.119@49.231,25.475
  Signal Layer 2 w0.254: v1(47.45,25.475) 48.65,25.475 50.55,23.575 51.3,23.575 52.204,24.479 125.396,24.479 142.6,7.275 142.6,2.5 J8.1@143.7,1.4
I2C3_SDA: J8.2 U3.118 | length 109.6
  Top Layer w0.254: U3.118@49.231,24.975 50.175,24.975 51.025,24.125 v1(51.05,24.125)
  Signal Layer 2 w0.254: v1(51.05,24.125) 51.825,24.9 126.5,24.9 146.24,5.16 J8.2@146.24,1.4
KEY1: S2.2 U3.115 | length 55.2
  Top Layer w0.25: S2.2@2.475,9.85 2.475,10.375 7.4,15.3 10.7,15.3 16.925,21.525 v1(16.925,22.75) ; v1(47.125,24.65) 48.3,23.475 U3.115@49.231,23.475
  Signal Layer 1 w0.25: v1(16.925,22.75) 19.275,25.1 30.075,25.1 30.55,25.575 46.325,25.575 47.125,24.775 v1(47.125,24.65)
LCD_B0: RP2.7 U3.3 | length 49.3
  Top Layer w0.25: U3.3@23.6,30.975 v1@25.3,30.975
  Signal Layer 1 w0.25: v1(25.3,31.025) 25.6,31.025 28.627,27.998 49.453,27.998 49.8,28.345 52.575,28.345 52.895,28.025 61.897,28.025 66.327,32.454 66.327,33.902 v1(67.55,35.125)
LCD_B1: RP2.5 U3.155 | length 38.8
  Top Layer w0.25: v1(36.15,39.775) 36.15,39.536 36.775,38.911 36.775,35.525 36.165,34.915 U3.155@36.165,34.04
  Signal Layer 1 w0.25: v1(36.15,39.775) 38.525,39.775 41.75,36.55 65.325,36.55 v1(66.75,35.125)
LCD_B2: RP2.3 U3.153 | length 35.7
  Top Layer w0.25: v1(37.125,39.2) 37.165,39.16 U3.153@37.165,34.04
  Signal Layer 1 w0.25: v1(37.125,39.2) 37.975,39.2 40.977,36.198 64.852,36.198 v1(65.925,35.125)
LCD_B3: RP2.1 U3.154 | length 43.8
  Top Layer w0.25: v1(33.175,28.8) 33.175,28.975 36.666,32.466 U3.154@36.666,34.04
  Signal Layer 1 w0.25: v1(33.175,28.8) 33.575,28.4 49.15,28.4 49.447,28.697 53.152,28.697 53.35,28.498 61.873,28.498 65.1,31.725 v1(65.1,35.175)
LCD_B4: RP1.7 U3.173 | length 41.2
  Top Layer w0.25: v1(26.95,31.375) 27.165,31.59 U3.173@27.165,34.04
  Signal Layer 1 w0.25: v1(26.95,31.375) 28.8,31.375 30,32.575 61.4,32.575 v1(63.9,35.075)
LCD_B5: RP1.5 U3.174 | length 40
  Top Layer w0.25: v1(26.425,32.075) 26.419,32.075 26.36,32.135 26.666,32.441 U3.174@26.666,34.04
  Signal Layer 1 w0.25: v1(26.425,32.075) 27.45,33.1 61.1,33.1 v1(63.075,35.075)
LCD_B6: RP1.3 U3.175 | length 39.1
  Top Layer w0.25: v1(25.8,32.6) 26.165,32.965 U3.175@26.165,34.04 ; RP1.3@62.275,34.975 RP1.3@62.275,35.025
  Signal Layer 1 w0.25: v1(25.8,32.6) 26.85,33.65 60.85,33.65 v1(62.275,35.075)
LCD_B7: R27.1 R29.1 RP1.1 U3.176 | length 44
  Top Layer w0.25: R27.1@25.375,37.825 25.665,37.535 U3.176@25.665,34.04 ; v1(25.475,37.55) R29.1@25.475,39.6
  Bottom Layer w0.25: v1(25.475,37.55) 25.475,37.925 26.1,38.55 47.1,38.55 50.575,35.075 v1(61.425,35.075)
LCD_BL: R69.1 R70.1 U3.1 | length 52.7
  Top Layer w0.25: U3.1@23.6,31.975 25.425,31.975 v1(26.15,31.25) ; v1(60.325,29.225) 60.725,28.825 70.075,28.825 70.85,28.05 R69.1@71.125,28.05 72.525,29.45 R70.1@72.825,29.45
  Signal Layer 1 w0.25: v1(26.15,31.25) 26.725,30.675 28.725,30.675 30.05,32 37.725,32 40.677,29.048 60.148,29.048 v1(60.325,29.225)
LCD_CLK: RP7.7 U3.111 | length 31.6
  Top Layer w0.2: v1(34.45,39.1) 34.45,40.325 35.175,41.05 RP7.7@36.4,41.05
  Top Layer w0.25: v1(41.675,24.675) 43.9,24.675 47.1,21.475 U3.111@49.231,21.475
  Signal Layer 2 w0.2: v1(34.45,39.1) 33.675,38.325 33.675,30.725 38.275,26.125 40.225,26.125 v1(41.675,24.675)
LCD_DE: RP7.1 U3.28 | length 34.8
  Top Layer w0.2: v1@26.325,18.475 v1(26.35,18.45)
  Top Layer w0.25: U3.28@23.6,18.475 v1@26.325,18.475
  Signal Layer 2 w0.2: v1(26.35,18.45) 27.725,18.45 29.75,20.475 29.75,22.975 29,23.725 29,31.375 29.75,32.125 29.75,39.275 33.95,43.475 v1(36.4,43.475)
LCD_G0: RP4.7 U3.4 | length 58
  Top Layer w0.25: U3.4@23.6,30.475 25.45,30.475 25.7,30.225 v1@25.7,29.475
  Signal Layer 1 w0.25: v1(25.7,29.425) 28.128,26.997 30.058,26.997 30.063,27.002 30.437,27.002 30.442,26.997 51.608,26.997 51.612,27.002 57.373,27.002 60.875,23.5 67.85,23.5 73.475,29.125 v1(73.475,31.625)
LCD_G1: RP4.5 U3.5 | length 56
  Top Layer w0.25: U3.5@23.6,29.975 25.1,29.975 v1(25.15,29.925)
  Signal Layer 1 w0.25: v1(25.15,29.925) 26.05,29.925 28.627,27.348 29.913,27.348 29.917,27.353 51.083,27.353 51.088,27.348 51.462,27.348 51.467,27.353 57.519,27.353 57.572,27.3 58,27.3 61.15,24.15 67.65,24.15 72.65,29.15 v1(72.65,31.625)
LCD_G2: RP4.3 U3.128 | length 23.4
  Top Layer w0.25: U3.128@49.231,29.975 51.471,29.975 v1(51.523,30.027)
  Signal Layer 1 w0.25: v1(51.523,30.027) v1@51.524,30.025
  Bottom Layer w0.25: v1(51.523,30.027) 51.626,29.923 70.012,29.923 v1@71.714,31.625 ; v1@71.714,31.525 v1@71.875,31.525
  other v1: 71.875,31.625
LCD_G3: RP4.1 U3.129 | length 22.3
  Top Layer w0.25: U3.129@49.231,30.475 50.775,30.475 v1(50.8,30.5)
  Bottom Layer w0.25: v1(50.8,30.5) 50.802,30.498 52.287,30.498 52.289,30.5 68.453,30.5 69.95,30.5 v1(71.075,31.625)
LCD_G4: RP3.7 U3.130 | length 23.3
  Top Layer w0.25: U3.130@49.231,30.975 52.075,30.975 v1(52.1,30.95)
  Bottom Layer w0.25: v1(52.1,30.95) 66.539,30.95 70.614,35.025 v1(70.825,35.025)
LCD_G5: RP3.5 U3.131 | length 22.2
  Top Layer w0.25: U3.131@49.231,31.475 v1(51.475,31.475)
  Bottom Layer w0.25: v1(51.475,31.475) 66.425,31.475 v1(70,35.05)
LCD_G6: RP3.3 U3.132 | length 21.3
  Top Layer w0.25: U3.132@49.231,31.975 v1(50.925,31.975)
  Bottom Layer w0.25: v1(50.925,31.975) 66.075,31.975 v1(69.2,35.1)
LCD_G7: R24.1 R25.1 RP3.1 U3.133 | length 24.5
  Top Layer w0.25: U3.133@47.166,34.04 47.166,36.041 R24.1@48.3,37.175 v1(49.775,37.175)
  Bottom Layer w0.25: v1(49.775,37.175) 66.65,37.175 v1(68.45,35.375)
LCD_HS: RP7.5 U3.12 | length 27.4
  Top Layer w0.2: v1(21.9,26.225) 22.15,26.475 U3.12@23.6,26.475
  Signal Layer 1 w0.2: v1(21.9,26.225) 22.525,26.85 22.525,30.6 26.45,34.525 26.45,38.725 29.55,41.825 v1(36.4,41.825)
LCD_LR: J1.39 R6.1 R16.1 | length 17.4
  Top Layer w0.25: J1.39@78.25,40.725 78.25,42.8 84.3,48.85 90.65,48.85 R6.1@90.975,48.525
LCD_R0: RP6.7 U3.43 | length 74.6
  Top Layer w0.25: U3.43@23.6,10.975 25.225,10.975 v1(25.65,10.55)
  Signal Layer 1 w0.25: v1(25.65,10.55) 33.225,2.975 46.286,2.975 46.288,2.977 46.662,2.977 46.664,2.975 53.325,2.975 81.9,31.55 v1@80.775,31.55
  other v1: 80.775,31.65
LCD_R1: RP6.5 U3.44 | length 72.3
  Top Layer w0.25: U3.44@23.6,10.475 24.425,10.475 24.852,10.048 26.073,10.048 v1(26.625,10.6)
  Signal Layer 1 w0.25: v1(26.625,10.6) 33.85,3.375 53,3.375 80.025,30.4 v1@80.025,31.675
  other v1: 80.025,31.65
LCD_R2: RP6.3 U3.85 | length 48.9
  Top Layer w0.25: U3.85@45.665,8.409 45.665,4.91 v1(45.675,4.9)
  Signal Layer 1 w0.25: v1(45.675,4.9) 52.425,4.9 53.252,5.727 54.577,5.727 79.175,30.325 v1(79.175,31.65)
LCD_R3: RP6.1 U3.86 | length 46.7
  Top Layer w0.25: v1(46.15,5.525) 46.166,5.541 U3.86@46.166,8.409
  Signal Layer 1 w0.25: v1(46.15,5.525) 52.553,5.525 53.106,6.078 54.028,6.078 78.425,30.475 v1(78.425,31.65)
LCD_R4: RP5.7 U3.87 | length 44.4
  Top Layer w0.25: v1(46.65,6.175) 46.665,6.19 U3.87@46.665,8.409
  Signal Layer 1 w0.25: v1(46.65,6.175) 46.625,6.2 52.731,6.2 52.96,6.43 53.73,6.43 77.175,29.875 v1@77.175,31.675
  other v1: 77.175,31.625
LCD_R5: RP5.5 U3.88 | length 40
  Top Layer w0.25: U3.88@47.166,8.409 47.2,8.375 v1(48.375,8.375)
  Signal Layer 1 w0.25: v1(48.375,8.375) 55.125,8.375 76.325,29.575 v1(76.325,31.625)
LCD_R6: RP5.3 U3.89 | length 36.4
  Top Layer w0.25: U3.89@49.231,10.475 v1(51.375,10.475)
  Signal Layer 1 w0.25: v1(51.375,10.475) 56.575,10.475 75.55,29.45 v1(75.55,31.625)
LCD_R7: R22.1 R23.1 RP5.1 U3.110 | length 34.1
  Top Layer w0.254: U3.110@49.231,20.975 52.094,20.975 R22.1@52.369,20.7 R23.1@52.369,19.275 R23.1@52.369,19.2
  Signal Layer 1 w0.254: v1(51.225,20.925) 66.5,20.925 74.75,29.175 v1(74.75,31.625)
LCD_RST: C10.2 J1.44 R20.2 U3.134 | length 56
  Top Layer w0.25: U3.134@46.665,34.04 46.665,32.835 46.85,32.65 47.575,32.65 48.3,33.375 48.3,34.65 49.738,36.088 50.688,36.088 51.825,37.225 v1(51.825,38) ; J1.44@80.75,40.725 80.75,39.325 80.975,39.1 89.1,39.1 R20.2@89.3,39.3 C10.2@90.95,39.3
  Signal Layer 1 w0.25: v1(51.825,38) 54.373,40.548 65.348,40.548 68.475,43.675 71.2,43.675 77.175,37.7 79.425,37.7 v1(80.775,39.05)
LCD_UD: J1.40 R18.1 R19.1 | length 19
  Top Layer w0.25: J1.40@78.75,40.725 78.75,42.425 82,45.675 92.9,45.675 R18.1@93.125,45.45 93.125,44.025 R19.1@93.15,44
LCD_VS: RP7.3 U3.11 | length 27.8
  Top Layer w0.2: v1(21.725,26.925) 21.775,26.975 U3.11@23.6,26.975
  Signal Layer 1 w0.2: v1(21.725,26.925) 22.2,27.4 22.2,30.975 26.025,34.8 26.025,39.3 29.35,42.625 v1(36.4,42.625)
LED0: D7.2 U3.2 | length 56.4
  Top Layer w0.25: D7.2@11.925,3.75 8.825,3.75 7.925,2.85 4.525,2.85 3.9,3.475 3.9,10.975 7.625,14.7 11.5,14.7 17.45,20.65 17.45,33.875 18.725,35.15 21.025,35.15 22.113,34.062 22.113,31.838 22.475,31.475 U3.2@23.6,31.475
LINK_LED: J9.12 R59.2 U7.3 | length 60.1
  Top Layer w0.254: U7.3@105.925,43.175 112.65,43.175 R59.2@113.325,42.5
  Signal Layer 1 w0.254: J9.12@84.121,15.036 85.161,15.036 88.2,18.075 109.175,18.075 112.025,20.925 112.025,41.175 v1(113.325,42.475)
NetC1_1: C1.1 U10.17 | length 4
  Top Layer w0.3: U10.17@122.175,17.575 123.225,17.575 125.1,15.7 C1.1@125.35,15.7
NetC01_1: C01.1 C5.1 U10.13 | length 4.8
  Top Layer w0.3: U10.13@119.375,15.475 119.375,12.775 C5.1@119,12.4 C01.1@120.6,12.4
NetC3_1: C3.1 R2.2 U10.15 | length 6.6
  Top Layer w0.3: U10.15@120.675,15.475 120.675,15.425 C3.1@123.675,12.425 123.675,12.3 R2.2@125.225,10.75
NetC4_1: C4.1 U10.8 | length 2.7
  Top Layer w0.3: C4.1@113.925,18.25 U10.8@116.575,18.25
NetC5_2: C5.2 R67.2 | length 1.8
  Top Layer w0.3: C5.2@119,10.7 119,9.025 R67.2@119.075,8.95
NetC6_2: C6.2 C118.2 L1.1 U10.2 | length 26.6
  Top Layer w0.5: U10.2@120.025,21.075 120.025,22.85 120.65,23.475 v3(121.2,23.475)
  Top Layer w1: C6.2@125.65,4.775 L1.1@128.844,4.775
  Bottom Layer w1: v3(121.2,23.475) 125.425,19.25 C6.2@125.425,5
NetC8_1: C8.1 U10.14 | length 3.9
  Top Layer w0.3: U10.14@120.025,15.475 120.025,14.5 C8.1@122.125,12.4
NetC9_2: C9.2 Q2.2 R10.1 | length 3.8
  Top Layer w1: C9.2@108.775,8.475 R10.1@110.55,8.475 111,8.475 Q2.2@112.109,9.584
NetC11_1: C11.1 R12.2 | length 1.8
  Bottom Layer w0.5: C11.1@99.45,28.575 R12.2@101.225,28.575
NetC11_2: C11.2 D2.3 T1.15 | length 20.1
  Top Layer w0.5: D2.3@96.225,26.775 99.15,29.7 108.1,29.7 111.675,26.125 T1.15@111.675,24.125
  other v2: 97.9,28.45
NetC12_1: C12.1 R13.2 | length 1.8
  Bottom Layer w0.5: C12.1@99.35,22.9 R13.2@101.15,22.9
NetC12_2: C12.2 D2.4 T1.10 | length 13.4
  Top Layer w0.5: D2.4@96.225,24.275 D2.4@96.4,24.275 ; v2(97.8,22.875) D2.4@96.4,24.275 ; T1.10@105.3,23.3 105.3,24.875 104.675,25.5 97.925,25.5 96.7,24.275 D2.4@96.4,24.275
NetC13_1: C13.1 D2.1 D13.1 R3.1 U10.4 | length 27.4
  Top Layer w0.5: D2.1@101.225,24.275 100.75,24.275 99.575,23.1 99.575,20.925 100.725,19.775 D13.1@101.25,19.775 101.4,19.925 114.8,19.925 115.775,20.9 R3.1@115.775,20.925 117.05,22.2 118.725,22.2 ; C13.1@118.625,23.475 118.725,23.375 118.725,22.2 ; U10.4@118.725,21.075 118.725,22.2
NetC17_2: C17.2 C18.2 J1.6 J1.46 R26.1 R28.1 | length 48.5
  Top Layer w0.25: C17.2@51.975,44.05 C18.2@53.65,44.05 54.95,45.35 59.1,45.35 v1(61.75,42.7) J1.6@61.75,40.725 ; J1.46@81.75,40.725 81.75,44.5 v1(82.3,45.05) 82.525,45.275 88.55,45.275 R26.1@89.275,44.55 R28.1@90.95,44.55
  Signal Layer 1 w0.25: v1(61.75,42.7) 64.85,42.7 67.2,45.05 v1(82.3,45.05)
NetC20_2: C20.2 U3.81 | length 3.7
  Top Layer w0.254: C20.2@42.525,5.175 42.525,6 43.665,7.14 U3.81@43.665,8.409
NetC23_2: C23.2 U3.125 | length 3.9
  Top Layer w0.254: U3.125@49.231,28.475 51.475,28.475 C23.2@52.625,27.325
NetC24_2: C24.2 C25.2 R32.1 U4.12 U4.37 | length 32.6
  Signal Layer 2 w0.254: v1(13.1,21.45) 15.025,19.525 v1(15.025,8.8)
  Bottom Layer w0.254: R32.1@11.925,3.175 11.95,3.2 C24.2@14.4,3.2 15.025,3.825 U4.37@15.025,6.025 v1(15.025,8.8) ; v1(13.1,21.45) 13.9,21.45 15.025,22.575 U4.12@15.025,26.025 15.025,29.55 C25.2@16.075,30.6
NetC31_1: C31.1 U3.29 Y2.3 | length 4.8
  Top Layer w0.254: C31.1@20.225,20.025 20.725,19.525 Y2.3@20.725,18.55 21.3,17.975 U3.29@23.6,17.975
NetC32_2: C32.2 U3.30 Y2.1 | length 7.1
  Top Layer w0.254: C32.2@18.575,15.15 18.425,15.3 Y2.1@18.425,16.7 19.2,17.475 U3.30@23.6,17.475
NetC33_2: C33.2 R51.1 U6.52 | length 3.7
  Bottom Layer w0.2: C33.2@136.924,47.525 136.85,47.451 R51.1@136.85,45.85 137.025,45.675 U6.52@138.75,45.675
NetC48_1: C48.1 U2.8 | length 6.2
  Top Layer w0.25: C48.1@137.45,34.95 139.15,33.25 142.705,33.25 U2.8@142.875,33.08
NetC48_2: C48.2 D4.2 L8.2 U2.1 | length 15.9
  Top Layer w0.3: 135.675,33.08 135.75,33.155 C48.2@135.75,34.95 ; U2.1@137.375,33.08 U2.1@137.375,33.15
  Top Layer w1: L8.2@127.696,27.75 127.696,31.271 129.505,33.08 135.675,33.08 U2.1@137.375,33.08
NetC51_1: C51.1 R45.1 | length 1.8
  Top Layer w0.25: R45.1@131.175,29.525 131.2,29.55 C51.1@132.925,29.55
NetC51_2: C51.2 U2.3 | length 3.2
  Top Layer w0.3: C51.2@134.625,29.55 135.615,30.54 U2.3@137.375,30.54
NetC62_2: C62.2 U6.35 | length 5.7
  Bottom Layer w0.2: C62.2@132.325,38.551 132.351,38.525 U6.35@138,38.525
NetC63_2: C63.2 U6.32 | length 5.7
  Bottom Layer w0.2: C63.2@136.149,33.525 136.149,33.774 139.55,37.175 U6.32@139.55,37.775
NetC65_2: C65.2 C66.2 U7.6 | length 4.9
  Top Layer w0.25: U7.6@105.925,44.675 108.525,44.675 C66.2@108.975,45.125 108.975,46.75 C65.2@108.95,46.775
NetC70_1: C70.1 R68.2 U7.4 Y3.2 | length 27.3
  Top Layer w0.25: U7.4@105.925,43.675 115.9,43.675 117.275,42.3 117.275,36.6 118.6,35.275 Y3.2@118.6,33.469 ; Y3.2@118.6,34.475 119.1,34.975 C70.1@121.75,34.975 121.7,35.025 R68.2@121.7,37.55